# Altium PCB Неудачная разводка ddr.PcbDoc (part 3 of 3)
Units mm, origin at the board's own origin, x right, y up, seen from the top; angles counter-clockwise.
Board outline 130 x 100 mm, 8 copper layers (Top Layer, Ground_1, Power_1, Mid_1, Ground_3, Mid_2, Ground_2, Bottom Layer), stack 1.304 mm thick; 402 components, 379 nets, 2504 pads, 940 vias.
Unrouted connection lines stored in the file: 379.
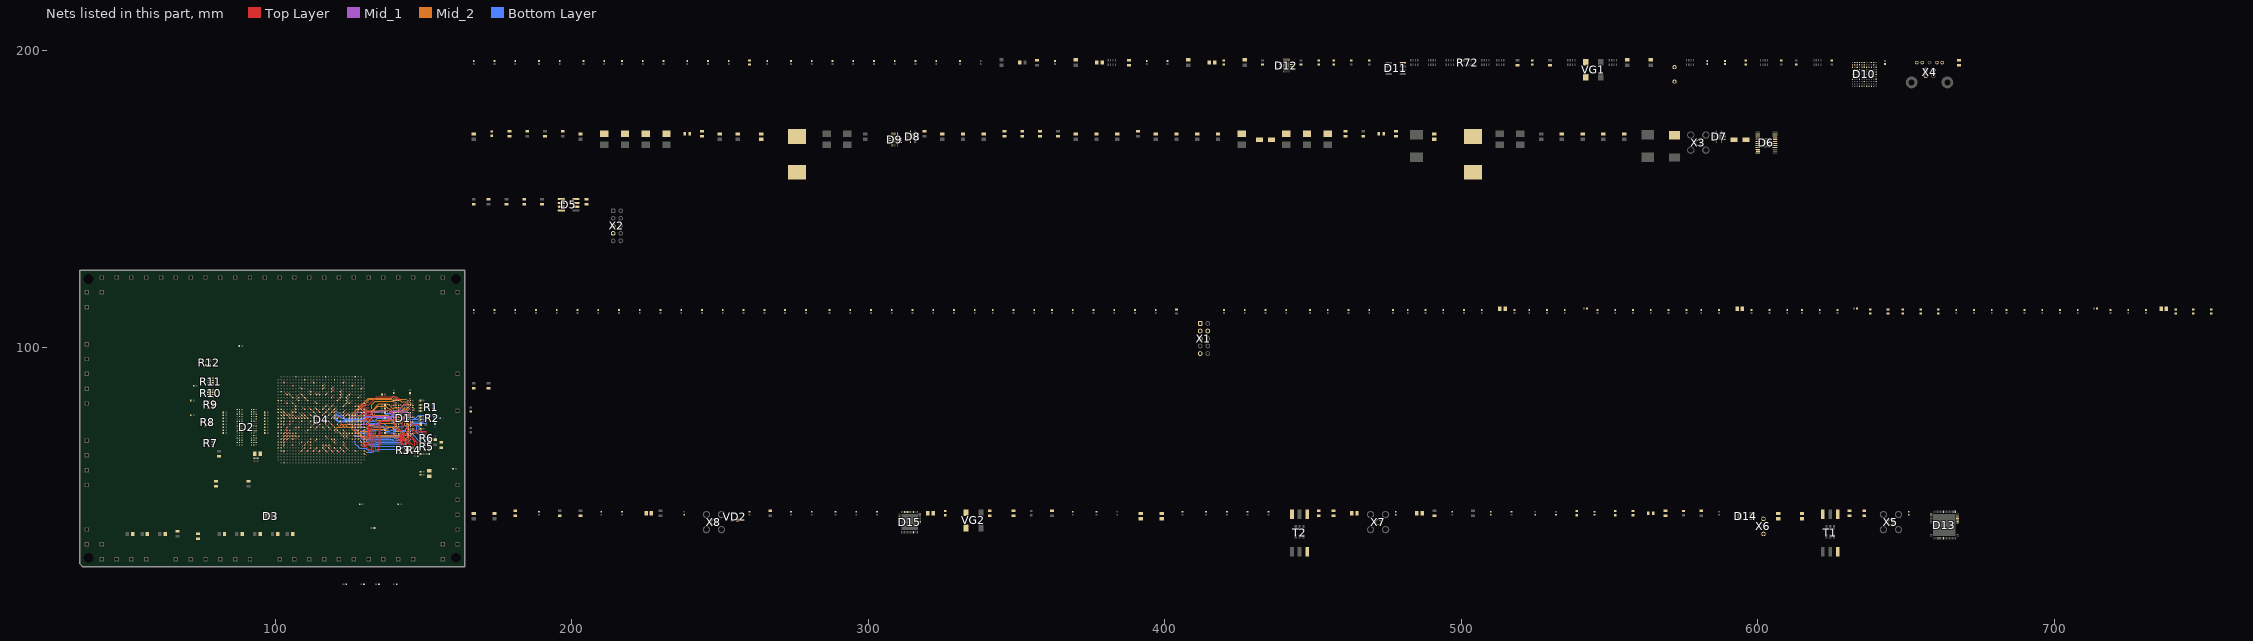
[diagram p8: the nets of this part, all layers, seen from the top]

## Via types
v1: diameter 0.45, hole 0.2, Top Layer to Bottom Layer, 840 vias
v2: diameter 0.5, hole 0.2, Top Layer to Bottom Layer, 100 vias

## Nets (pads, with @x,y where several pads share a name; then routed paths per layer and width w, separated by ;. In a path a pad name is that pad's centre, name@x,y a point inside that pad or via, vN(x,y) a via of type N, cw(c..) or ccw(c..) an arc to the next point about the centre after c; other vN are vias at no path point) (continued)
DDR0_A1: D1.P7 D4.AK12 R3.5 | length 22.1
  Top Layer w0.125: D4.AK12@130,72 v1(130.5,72.5) ; 144.3,66.8 144.3,67.4 142.988,68.712 142.988,70.188 v1(144,71.2) 144.4,71.6 D1.P7@144.8,71.6
  Mid_2 w0.125: v1(130.5,72.5) 131.712,73.713 133,73.713 133.525,73.188 140.574,73.188 141.211,72.55 141.667,72.55 143.017,71.2 v1(144,71.2)
DDR0_A2: D1.P3 D4.AH11 R10.7 | length 21.7
  Top Layer w0.125: D4.AH11@128,71 v1(128.5,70.5) ; D1.P3@141.6,71.6 142,71.6 v1(142.4,71.2) 142.912,70.688 142.912,70.466 142.738,70.291 142.738,68.609 142.912,68.434 142.912,67.488 143.5,66.9 143.5,66.7
  Bottom Layer w0.125: v1(128.5,70.5) 128.917,70.5 129.329,70.912 129.671,70.912 130.083,70.5 131.5,70.5 132,70 141.2,70 v1(142.4,71.2)
DDR0_A3: D1.N2 D4.AH12 | length 15.1
  Top Layer w0.125: v1(128.5,71.575) v1@128.5,71.5 ; v1(140.403,72.775) v1@140.403,72.797 ; v1@128.5,71.5 D4.AH12@128,72 v1@128.5,71.5 ; v1@140.403,72.797 D1.N2@140.8,72.4 v1@140.403,72.797
  Mid_2 w0.125: v1(128.5,71.575) 131.908,71.575 132.633,72.3 137.325,72.3 137.8,72.775 137.937,72.912 140.265,72.912 v1(140.403,72.775)
DDR0_A4: D1.P8 D4.AG13 | length 31.1
  Top Layer w0.125: D4.AG13@127,73 v1(127.5,72.5) ; D1.P8@145.6,71.6 v1(146,72) 146.012,71.988 148.012,71.988 148.3,71.7 150.9,71.7
  Bottom Layer w0.125: v1(127.5,72.5) 127.912,72.912 130.671,72.912 131.42,72.163 136.837,72.163 137.787,71.213 137.971,71.213 137.996,71.188 139.804,71.188 140.229,71.613 145.113,71.613 145.5,72 v1(146,72) 146.012,71.988 146.996,71.988 148.85,70.133 148.85,69.15 149.2,68.8
DDR0_A5: D1.P2 D4.AG14 R7.5 | length 23.5
  Top Layer w0.125: D4.AG14@127,74 v1(127.5,73.5) ; D1.P2@140.8,71.6 141.2,72 142.8,72 142.912,72.113 142.912,75.087 v1(142.807,75.193)
  Mid_2 w0.125: v1(127.5,73.5) 127.812,73.813 128.609,73.813 128.784,73.987 130.571,73.987 131.396,74.812 132.883,76.3 137.8,76.3 138.538,75.562 139.174,75.562 139.233,75.504 141.309,75.504 141.406,75.6 142.117,75.6 142.523,75.193 v1(142.807,75.193) ; v1(142.807,75.193) 142.911,75.089 v1(142.807,75.193)
DDR0_A6: D1.R8 D4.AK10 | length 27.8
  Top Layer w0.125: D4.AK10@130,70 v1(131,70) ; D1.R8@145.6,70.8 v1(146,71.2) 146.617,71.2 146.754,71.062 151.037,71.062 151.187,71.213
  Bottom Layer w0.125: v1(131,70) 131.5,69.5 139,69.5 139.2,69.7 142.125,69.7 143.213,70.788 144.788,70.788 145.2,71.2 v1(146,71.2) 146,71.016 149.016,68 149.6,68
DDR0_A7: D1.R2 D4.AK11 R9.5 | length 11.8
  Top Layer w0.125: D4.AK11@130,71 v1(131,71) ; v1(140.4,71.2) D1.R2@140.8,70.8
  Bottom Layer w0.125: v1(131,71) 131.5,71 132.162,70.337 139.891,70.337 140.4,70.846 v1(140.4,71.2)
DDR0_A8: D1.T8 D4.AF11 R5.8 | length 27.2
  Top Layer w0.125: D4.AF11@126,71 v1(126.5,70.5) ; v1(146,70.4) D1.T8@145.6,70 145.783,70 146.012,69.771 146.012,69.612 146.171,69.612 148,67.783 148,66.9
  Bottom Layer w0.125: v1(126.5,70.5) 127,70 129.5,70 130.5,69 139.417,69 139.579,68.838 139.921,68.838 140.162,69.079 140.162,69.163 140.213,69.213 141.287,69.213 141.5,69 142.475,69 142.988,69.512 142.988,70.183 143.229,70.425 143.571,70.425 143.746,70.25 145.85,70.25 v1(146,70.4)
DDR0_A9: D1.R3 D4.AG11 R9.7 | length 24.1
  Top Layer w0.125: D4.AG11@127,71 v1(127.5,70.5) ; v1(133.5,68) v1(133.5,71) ; D1.R3@141.6,70.8 142,70.8 142.4,70.4 142.4,68.1 v1(142.5,68) 142.5,67.2 142.7,67 142.7,66.7
  Bottom Layer w0.125: v1(127.5,70.5) 127.913,70.912 128.976,70.912 129.226,71.163 130.579,71.163 130.829,71.413 131.671,71.413 131.913,71.171 131.913,71.087 132,71 v1(133.5,71) ; v1(133.5,68) v1(142.5,68)
DDR0_A10: D1.L7 D4.AJ8 | length 31
  Top Layer w0.125: D4.AJ8@129,68 129.5,67.5 132,67.5 v1(132,73.3) ; v1(144,74) D1.L7@144.8,74
  Bottom Layer w0.125: v1(132,73.3) 132.2,73.5 136.207,73.5 137.207,72.5 138.017,72.5 138.229,72.713 138.429,72.912 139.682,72.912 139.882,72.713 140.232,72.363 140.626,72.363 141.476,73.213 142.571,73.213 143.213,73.213 v1(144,74) 144.1,73.9 147.683,73.9 149.1,72.483 149.1,71.6 149.8,70.9
DDR0_A11: D1.R7 D4.AK8 R5.5 | length 21.4
  Top Layer w0.125: D4.AK8@130,68 v1(131.25,68) ; D1.R7@144.8,70.8 144,70 v1(144,69.6) 144,69.3 146.3,67
  Bottom Layer w0.125: v1(131.25,68) 131.75,67.5 144,67.5 v1(144,69.6)
DDR0_A12: D1.N7 D4.AJ7 | length 33.8
  Top Layer w0.125: D4.AJ7@129,67 129.5,66.5 130.5,66.5 131.5,65.5 132.5,65.5 132.5,72.75 v1(132.75,73) ; v1(144,72.8) 144.4,72.4 D1.N7@144.8,72.4
  Bottom Layer w0.125: v1(132.75,73) 136.354,73 137.108,72.246 137.191,72.246 137.85,71.587 138.604,71.587 139.029,72.013 139.371,72.013 139.384,72 144,72 v1(144,72.8) 144.813,73.613 147.171,73.613 147.8,72.983 147.8,72.1 149.1,70.8 149.1,69.6
DDR0_A13: D1.T3 D4.AK7 R9.8 | length 15.8
  Top Layer w0.125: D4.AK7@130,67 131.5,67 v1(132,66.5) ; D1.T3@141.6,70 141.5,69.9 v1(141.5,67) 142,67 142,66.7
  Bottom Layer w0.125: v1(132,66.5) 141,66.5 v1(141.5,67)
DDR0_A14: D1.T7 D4.AF13 | length 33.9
  Top Layer w0.125: D4.AF13@126,73 v1(126.5,72.5) ; v1(134,65.5) v1(134,71.75) ; D1.T7@144.8,70 145.6,69.2 v1(146,69.2) 147.1,68.1 147.1,66.8
  Bottom Layer w0.125: v1(126.5,72.5) 127.087,71.912 127.671,71.912 128.087,71.496 128.087,71.404 128.329,71.163 128.872,71.163 129.46,71.75 v1(134,71.75) ; v1(134,65.5) 142.354,65.5 144.8,67.946 144.8,68 ; 144.354,67.554 v1(146,69.2)
DDR0_BA0: D1.M2 D4.AH9 | length 22.5
  Top Layer w0.125: D4.AH9@128,69 v1(128.5,68.5) ; v1(134.974,74.776) 135,74.75 v1(135,67) ; v1(140.4,74.378) 140.4,73.6 D1.M2@140.8,73.2
  Mid_2 w0.125: v1(134.974,74.776) 135.337,74.413 140.088,74.413 140.122,74.378 v1(140.4,74.378)
  Bottom Layer w0.125: v1(128.5,68.5) 130,67 v1(135,67)
DDR0_BA1: D1.N8 D4.AH10 | length 25.5
  Top Layer w0.125: D4.AH10@128,70 v1(128.5,69.5) ; 145.5,66.9 143.4,69 v1(143.4,70.013) 143.4,70.154 144.034,70.788 144.239,70.788 144.664,71.213 144.96,71.213 145.213,71.464 145.213,72.013 D1.N8@145.6,72.4
  Bottom Layer w0.125: v1(128.5,69.5) 129.083,69.5 129.913,68.671 129.913,68.504 130.329,68.087 130.671,68.087 130.996,68.413 140.604,68.413 140.629,68.388 140.971,68.388 141.183,68.6 143.4,68.6 v1(143.4,70.013)
DDR0_BA2: D1.M3 D4.AJ10 | length 19.1
  Top Layer w0.125: D4.AJ10@129,70 129.5,69.5 131.5,69.5 131.5,74.1 131.6,74.2 v1(131.6,74.4) ; v1(141.2,73.6) D1.M3@141.6,73.2
  Bottom Layer w0.125: v1(131.6,74.4) v1@131.6,74.3 ; v1(141.2,73.6) 140.787,73.188 140.574,73.188 140.549,73.213 137.787,73.213 136.663,74.338 134.829,74.338 134.667,74.5 134.554,74.387 131.912,74.387 v1@131.8,74.5 ; v1@131.6,74.3 v1@131.8,74.5 ; v1@131.6,74.3 v1@131.8,74.5
DDR0_CAS: D1.K3 D4.AF9 | length 30.8
  Top Layer w0.125: D4.AF9@126,69 v1(126.5,68.5) ; v1(135,65) 135,66.25 135.412,66.663 135.412,74.913 135.5,75 139,75 v1(138.9,74.9) ; D1.K3@141.6,74.8 141.7,74.8 142.3,75.4 v1(142.3,76)
  Bottom Layer w0.125: v1(126.5,68.5) 127.087,67.912 127.087,67.329 127.504,66.912 127.671,66.912 128.087,66.496 128.087,66.329 128.504,65.912 130.671,65.912 130.913,65.671 130.913,65.587 131.5,65 v1(135,65) ; v1(138.9,74.9) 141.9,74.9 142.3,75.3 v1(142.3,76)
DDR0_CK_N: D1.K7 D4.AA14 R1.8 | length 44.3
  Top Layer w0.111: v1(144.007,74.807) 144,74.8 D1.K7@144.8,74.8
  Top Layer w0.125: D4.AA14@121,74 v1(121.5,73.5)
  Mid_2 w0.184: v1(121.5,73.5) 121.875,73.5 122.317,73.942 122.683,73.942 122.935,73.69 123.065,73.69 123.317,73.942 123.683,73.942 123.937,73.688 124.063,73.688 124.317,73.942 125.683,73.942 125.942,73.683 125.942,73.33 126.33,72.942 126.683,72.942 126.942,72.683 126.942,72.433 127.433,71.942 127.683,71.942 127.942,71.683 127.942,71.508 128.508,70.942 128.683,70.942 128.942,70.683 128.942,70.433 129.817,69.558 131.183,69.558 131.558,69.933 132.207,69.933 132.505,70.231 142.088,70.231 142.926,69.393 143.582,69.393 143.817,69.158 144.183,69.158 144.418,69.393 144.729,69.393 144.729,73.725 144.442,74.012 144.442,73.817 144.183,73.558 143.817,73.558 143.558,73.817 143.558,74.183 143.817,74.442 144.183,74.442 144.396,74.229 144.396,74.417 v1(144.007,74.807)
  Bottom Layer w0.111: v1(144.007,74.807) v1(144.007,74.807) 145.771,74.806 145.818,74.758 146.154,74.758 146.201,74.806 150.506,74.806 151.2,75.5
DDR0_CK_P: D1.J7 D4.Y13 R1.7 | length 44.6
  Top Layer w0.111: v1(144,75.7) 144,75.6 D1.J7@144.8,75.6
  Top Layer w0.125: D4.Y13@120,73 v1(120.5,72.5)
  Mid_2 w0.184: v1(120.5,72.5) 120.983,72.983 122.608,72.983 122.931,73.306 123.069,73.306 123.317,73.058 123.683,73.058 123.929,73.304 124.07,73.304 124.317,73.058 124.683,73.058 125.317,73.058 125.671,73.058 126.058,72.67 126.058,72.317 126.317,72.058 126.567,72.058 127.058,71.567 127.058,71.317 127.317,71.058 127.567,71.058 128.058,70.567 128.058,70.317 128.317,70.058 128.774,70.058 129.02,69.812 129.658,69.174 131.342,69.174 131.561,69.393 132.21,69.393 132.664,69.847 141.929,69.847 142.767,69.009 143.423,69.009 143.658,68.774 144.342,68.774 144.577,69.009 144.888,69.009 145.113,69.234 145.113,73.958 145.039,73.958 144.78,74.217 144.78,74.583 144.899,74.701 144,75.6 v1(144,75.7)
  Bottom Layer w0.111: v1(144,75.7) 144.105,75.594 145.804,75.594 145.829,75.569 146.165,75.569 146.212,75.617 148.043,75.617 148.332,75.906 150.706,75.906 151.2,76.4
DDR0_CKE: D1.K9 D4.AK18 R15.2 | length 26
  Top Layer w0.125: D4.AK18@130,78 130.112,78.112 131.971,78.112 132.413,77.671 132.413,77.643 132.5,77.556 v1(133.194,77.556) ; v1(145.222,74.4) 146,74.4 D1.K9@146.4,74.8
  Mid_2 w0.125: v1@133.194,77.437 133.619,77.012 138.084,77.012 138.496,76.6 139,76.6 139.213,76.387 140.571,76.387 140.596,76.413 142.471,76.413 142.883,76 143.1,76 143.212,76.112 144.288,76.112 146,74.4 v1(145.222,74.4)
  Bottom Layer w0.125: v1(145.222,74.4) 151,74.4 151.3,74.7
DDR0_CS: D1.L2 D4.Y12 | length 0.7
  Top Layer w0.125: D4.Y12@120,72 v1(120.5,71.5)
DDR0_DM0: D1.E7 D4.AE15 | length 24.6
  Top Layer w0.15: D4.AE15@125,75 v1(125.5,74.5) ; D1.E7@144.8,78.8 v1(145.2,79.2)
  Mid_2 w0.15: v1(125.5,74.5) 126.2,75.2 130.4,75.2 131.525,76.325 132.426,76.325 132.925,76.824 132.925,77.176 132.769,77.332 132.769,77.732 133.018,77.981 133.37,77.981 134.015,78.625 138.5,78.625 139.325,77.8 140.799,77.8 141.024,78.025 141.376,78.025 141.701,77.7 142.565,77.7 143.74,78.875 144.275,78.875 144.6,79.2 v1(145.2,79.2)
DDR0_DM1: D1.D3 D4.AH19 | length 5.2
  Top Layer w0.15: D4.AH19@128,79 128.5,79.5 v1(131.5,79.5) ; D1.D3@141.6,79.6 142.4,79.6 142.8,79.2 v1(142.8,79.3)
DDR0_DQ0: D1.E3 D4.AF15 | length 1.3
  Top Layer w0.15: D4.AF15@126,75 v1(126.5,74.5) ; v1(141.2,79.2) D1.E3@141.6,78.8
DDR0_DQ1: D1.F7 D4.AE16 | length 21.4
  Top Layer w0.15: D4.AE16@125,76 v1(125.5,76.5) ; v1(144.4,78.4) D1.F7@144.8,78
  Mid_1 w0.15: v1(125.5,76.5) 126.075,77.075 126.676,77.075 126.925,77.324 126.925,77.526 127.474,78.075 131.574,78.075 131.624,78.125 131.976,78.125 132.026,78.075 134.875,78.075 135.425,78.625 138.376,78.625 138.601,78.4 142.134,78.4 142.234,78.5 144.3,78.5 v1(144.4,78.4)
DDR0_DQ2: D1.F2 D4.AJ14
DDR0_DQ3: D1.F8 D4.AH15 | length 19.8
  Top Layer w0.15: D4.AH15@128,75 v1(128.5,74.5) ; v1(145.2,77.6) D1.F8@145.6,78
  Mid_1 w0.15: v1(128.5,74.5) 130.392,76.392 139.709,76.392 139.726,76.375 140.974,76.375 141.024,76.425 142.476,76.425 142.726,76.175 143.176,76.175 143.975,76.974 143.975,77.575 ; 143.975,77.6 v1(145.2,77.6)
DDR0_DQ4: D1.H3 D4.AE17 | length 2.2
  Top Layer w0.15: D4.AE17@125,77 v1(125.5,77.5) ; D1.H3@141.6,76.4 141.8,76.6 v1(143,76.6)
DDR0_DQ5: D1.H8 D4.AD17 | length 27.1
  Top Layer w0.15: D4.AD17@124,77 v1(124.5,77.5) ; v1(145.2,76) D1.H8@145.6,76.4
  Mid_1 w0.15: v1(124.5,77.5) 125.075,76.925 125.075,76.324 125.324,76.075 125.676,76.075 125.925,76.324 125.925,76.401 126.324,76.8 127.199,76.8 127.324,76.925 131.824,76.925 132.324,77.425 132.676,77.425 133.326,76.775 139.076,76.775 140.326,78.025 141.376,78.025 141.701,77.7 142.683,77.7 142.958,77.975 144.576,77.975 144.626,78.025 145.376,78.025 145.625,77.776 145.625,77.424 145.575,77.374 145.575,76.375 v1(145.2,76)
DDR0_DQ6: D1.G2 D4.AJ15 | length 5.5
  Top Layer w0.15: v1(129.5,74.5) D4.AJ15@129,75 129.45,75.45 132.95,75.45 v1(133,75.4) ; D1.G2@140.8,77.2 v1(141.2,77.6)
DDR0_DQ7: D1.H7 D4.AF14 | length 21.7
  Top Layer w0.15: D4.AF14@126,74 v1(126.5,73.5) ; v1(144.4,76.8) D1.H7@144.8,76.4
  Mid_1 w0.15: v1(126.5,73.5) 126.925,73.925 134.724,73.925 136.341,75.542 142.554,75.542 142.631,75.618 142.983,75.618 143.326,75.275 144.176,75.275 144.5,75.599 144.5,76.7 v1(144.4,76.8)
DDR0_DQ8: D1.D7 D4.AK17 | length 18.8
  Top Layer w0.15: D4.AK17@130,77 131.5,77 v1(132.5,77) ; D1.D7@144.8,79.6 v1(145.2,80)
  Mid_2 w0.15: v1(132.5,77) 132.494,77.006 132.494,77.846 134.674,80.025 137.376,80.025 137.925,79.476 137.925,79.474 138.224,79.175 138.725,79.175 139.4,78.5 142.9,78.5 143.9,79.5 144.7,79.5 v1(145.2,80)
DDR0_DQ9: D1.C3 D4.AK16 | length 3
  Top Layer w0.15: D4.AK16@130,76 132,76 v1(131.9,75.9) ; D1.C3@141.6,80.4 142.3,80.4 v1(142.4,80.5)
DDR0_DQ10: D1.C8 D4.AG17 | length 23
  Top Layer w0.15: D4.AG17@127,77 v1(127.5,77.5) ; D1.C8@145.6,80.4 v1(146,80.8)
  Mid_2 w0.15: v1(127.5,77.5) 127.925,77.075 128.676,77.075 130.132,78.531 132.5,78.531 132.544,78.575 132.676,78.575 135,80.899 135,80.925 137.676,80.925 137.826,80.775 138.576,80.775 138.576,80.323 139.499,79.4 140,79.4 140.125,79.525 140.924,79.525 141.024,79.625 142.524,79.625 143.584,80.685 145.885,80.685 v1(146,80.8)
DDR0_DQ11: D1.C2 D4.AJ18 | length 4.1
  Top Layer w0.15: D4.AJ18@129,78 129.5,77.5 132,77.5 v1(131.8,77.7) ; v1(140.4,80.8) D1.C2@140.8,80.4
DDR0_DQ12: D1.A7 D4.AG16 | length 22.7
  Top Layer w0.15: D4.AG16@127,76 v1(127.5,76.5) ; v1(144.4,82.4) D1.A7@144.8,82
  Mid_2 w0.15: v1(127.5,76.5) 127,77 127,77.601 127.399,78 127.601,78 128.075,78.474 128.075,78.676 129.824,80.425 130.5,80.425 130.5,81.101 131.774,82.375 139.211,82.375 139.486,82.1 139.686,82.3 140.49,82.3 140.59,82.4 140.599,82.4 140.624,82.375 144.375,82.375 v1(144.4,82.4)
DDR0_DQ13: D1.A2 D4.AF16 | length 20.4
  Top Layer w0.15: D4.AF16@126,76 126.5,76.5 v1(126.5,76.375) ; D1.A2@140.8,82 v1(140.8,82.8)
  Mid_2 w0.15: v1(126.5,76.375) 126.5,76.5 126.075,76.925 126.075,77.676 126.324,77.925 126.526,77.925 126.925,78.324 126.925,78.526 127.474,79.075 127.676,79.075 131.401,82.8 139.2,82.8 139.625,83.225 140.375,83.225 v1(140.8,82.8)
DDR0_DQ14: D1.B8 D4.AJ19 | length 19.5
  Top Layer w0.15: D4.AJ19@129,79 129.5,78.5 132,78.5 v1(132.5,79) ; v1(145.2,81.6) D1.B8@145.6,81.2
  Mid_2 w0.15: v1(132.5,79) 132.5,80.5 133.825,81.825 140.024,81.825 140.224,82.025 142.176,82.025 142.601,81.6 v1(145.2,81.6)
DDR0_DQ15: D1.A3 D4.AH20 | length 15.8
  Top Layer w0.15: D4.AH20@128,80 128.5,80.5 v1(131.5,80.5) 134.225,83.225 140.976,83.225 141.6,82.601 D1.A3@141.6,82
DDR0_DQS0_N: D1.G3 D4.AA16 | length 29.3
  Top Layer w0.125: D4.AA16@121,76 v1(121.5,76.5)
  Top Layer w0.15: D1.G3@141.6,77.2 142.771,77.2 v1@142.973,77.402
  Bottom Layer w0.15: v1(121.5,76.5) 121,77 120.406,77 120,76.594 120,76 121.1,74.9 129.981,74.9 130.13,75.05 130.182,75.05 130.85,75.718 131.532,76.4 131.834,76.4 132.152,76.4 132.222,76.33 132.778,76.33 132.848,76.4 134.612,76.4 139.434,76.4 140.234,77.2 140.653,77.2 140.923,76.93 141.752,76.93 142.022,77.2 142.287,77.465 142.5,77.465 142.65,77.315 142.737,77.402
  other v1: 143,77.4
DDR0_DQS0_P: D1.F3 D4.Y16 | length 26.8
  Top Layer w0.125: D4.Y16@120,76 v1(120.5,76.5)
  Top Layer w0.15: D1.F3@141.6,78 142.3,78 v1(142.4,78.1)
  Bottom Layer w0.15: v1(120.5,76.5) 120.5,76 121.33,75.17 129.869,75.17 130.019,75.32 130.07,75.32 130.58,75.83 131.262,76.512 131.42,76.67 131.722,76.67 132.264,76.67 132.334,76.6 132.666,76.6 132.736,76.67 134.5,76.67 139.323,76.67 139.73,77.078 ; v1(142.4,78.1) 142.6,77.9 142.635,77.9 142.65,77.885 142.5,77.735 142.175,77.735 141.64,77.2 141.034,77.2 140.764,77.47 140.123,77.47 ; 139.73,77.078 140.123,77.47 ; 139.73,77.078 140.122,77.47
DDR0_DQS1_N: D1.B7 D4.Y18 | length 31.3
  Top Layer w0.125: D4.Y18@120,78 v1(120.5,78.5)
  Top Layer w0.15: v1(143.825,81.085) 143.94,81.2 D1.B7@144.8,81.2
  Bottom Layer w0.15: v1(120.5,78.5) 121.1,77.9 121.666,77.9 122.1,77.466 122.1,77.334 122.334,77.1 122.466,77.1 122.9,76.666 122.9,76.334 122.939,76.295 123.012,76.295 123.518,75.788 129.475,75.788 130.387,76.7 130.387,77.712 130.996,78.321 131.108,78.321 131.187,78.4 132.05,78.4 ; 133.1,78.4 132.05,78.4 ; v1(143.825,81.085) 143.2,80.46 143.2,80.266 142.15,79.216 142.15,78.77 142.122,78.77 141.902,78.55 139.85,78.55 139.17,77.87 138.622,77.87 138.543,77.791 137.956,77.791 137.765,77.6 137.434,77.6 137.243,77.791 137.112,77.791 136.503,78.4 135.578,78.4 132.05,78.4
DDR0_DQS1_P: D1.C7 D4.Y17 | length 30.6
  Top Layer w0.125: D4.Y17@120,77 v1(120.5,77.5)
  Top Layer w0.15: v1(144,80) 144,80.3 143.9,80.4 143.9,80.5 D1.C7@144.7,80.5
  Bottom Layer w0.15: v1(120.5,77.5) 120.725,77.275 121.159,77.275 121.334,77.1 121.525,77.1 122.1,76.525 122.1,76.334 122.409,76.025 122.9,76.025 123.425,75.5 123.5,75.5 123.518,75.518 129.587,75.518 130.657,76.588 130.657,77.6 131.108,78.051 131.585,78.051 131.634,78.1 131.965,78.1 132.014,78.051 132.119,78.051 132.198,78.13 136.391,78.13 137,77.521 137.131,77.521 137.322,77.33 137.877,77.33 138.068,77.521 138.655,77.521 138.734,77.6 139.282,77.6 139.962,78.28 142.014,78.28 142.234,78.5 142.565,78.5 143.9,79.834 143.9,80.4 ; 143.9,80.5 143.9,80.4 ; v1(144,80) 144,80.3 143.9,80.4
DDR0_ODT: D1.K1 D4.AH14 | length 15.3
  Top Layer w0.125: D4.AH14@128,74 128.5,73.5 v1(128.5,73.4) ; v1(139.533,75.967) 139.5,76 140.148,76 140.388,75.761 140.388,75.188 D1.K1@140,74.8
  Bottom Layer w0.125: v1(128.5,73.4) 128.5,73.5 129,74 129.684,74 129.963,74.279 129.963,74.547 130.229,74.812 130.28,74.812 130.571,75.104 130.687,74.987 133.337,74.987 134.437,76.087 137.205,76.087 v1@139.413,76.087
DDR0_RAS: D1.J3 D4.AG9
DDR0_RESET_N: D1.T2 D4.AK21 R17.2 | length 2.9
  Top Layer w0.125: D4.AK21@130,81 130.5,81 131,81.5 v1(131.5,81.5) ; v1(140.8,68.8) D1.T2@140.8,70
DDR0_WE: D1.L3 D4.AK5 | length 34.8
  Top Layer w0.125: D4.AK5@130,65 v1(130.5,64.5) ; v1(133,64.5) 133,72.667 133.9,73.567 v1(133.9,74.8) ; D1.L3@141.6,74 142,74.4 v1(142.4,74.4)
  Mid_2 w0.125: v1(133.9,74.8) 134.412,75.312 139.071,75.312 139.256,75.127 141.673,75.127 v1(142.4,74.4) v1@142.597,74.4
  Bottom Layer w0.125: v1(130.5,64.5) v1(133,64.5) ; v1(142.4,74.4) 142.597,74.4 143.587,75.391 143.587,75.871 144.104,76.387 144.571,76.387 144.596,76.413 145.804,76.413 145.829,76.387 146.429,76.387 146.829,75.987 147.404,75.987 148.417,77 151.1,77 151.3,77.2
DDR1_A0: D2.N3 D4.B11 R7.6
DDR1_A1: D2.P7 D4.A11 R4.8
DDR1_A2: D2.P3 D4.F9 R10.5 | length 0.7
  Top Layer w0.125: v1(105.5,68.5) D4.F9@106,69
DDR1_A3: D2.N2 D4.E10 | length 0.7
  Top Layer w0.125: v1(104.5,69.5) D4.E10@105,70
DDR1_A4: D2.P8 D4.F16 R3.6 | length 0.7
  Top Layer w0.125: v1(105.5,76.5) D4.F16@106,76
DDR1_A5: D2.P2 D4.E16 R8.8 | length 0.7
  Top Layer w0.125: v1(104.5,76.5) D4.E16@105,76
DDR1_A6: D2.R8 D4.D9 R6.7 | length 0.7
  Top Layer w0.125: v1(103.5,68.5) D4.D9@104,69
DDR1_A7: D2.R2 D4.C10 R10.6 | length 0.7
  Top Layer w0.125: v1(102.5,69.5) D4.C10@103,70
DDR1_A8: D2.T8 D4.E12 R6.8 | length 0.7
  Top Layer w0.125: v1(104.5,71.5) D4.E12@105,72
DDR1_A9: D2.R3 D4.D13 R10.8 | length 0.7
  Top Layer w0.125: v1(103.5,72.5) D4.D13@104,73
DDR1_A10: D2.L7 D4.B7
DDR1_A11: D2.R7 D4.A8 R6.5
DDR1_A12: D2.N7 D4.B6 R4.7
DDR1_A13: D2.T3 D4.A6 R9.6
DDR1_A14: D2.T7 D4.E11 R5.6 | length 0.7
  Top Layer w0.125: v1(104.5,70.5) D4.E11@105,71
DDR1_A15: D4.D10 | length 0.7
  Top Layer w0.125: v1(103.5,69.5) D4.D10@104,70
DDR1_BA0: D2.M2 D4.A10
DDR1_BA1: D2.N8 D4.F15 | length 0.7
  Top Layer w0.125: v1(105.5,74.5) D4.F15@106,75
DDR1_BA2: D2.M3 D4.E15 R8.7 | length 0.7
  Top Layer w0.125: v1(104.5,74.5) D4.E15@105,75
DDR1_CAS: D2.K3 D4.C9 | length 0.7
  Top Layer w0.125: v1(102.5,68.5) D4.C9@103,69
DDR1_CK_N: D2.K7 D4.M8 R1.6 | length 0.7
  Top Layer w0.125: v1(111.5,67.5) D4.M8@112,68
DDR1_CK_P: D2.J7 D4.M9 R2.8 | length 0.7
  Top Layer w0.125: v1(111.5,68.5) D4.M9@112,69
DDR1_CKE: D2.K9 D4.A18 R16.2
DDR1_CS: D2.L2 D4.J15 | length 0.7
  Top Layer w0.125: v1(108.5,74.5) D4.J15@109,75
DDR1_DM0: D2.E7 D4.B14
DDR1_DM1: D2.D3 D4.B19
DDR1_DQ0: D2.E3 D4.C15 | length 0.7
  Top Layer w0.125: v1(102.5,74.5) D4.C15@103,75
DDR1_DQ1: D2.F7 D4.C16 | length 0.7
  Top Layer w0.125: v1(102.5,76.5) D4.C16@103,76
DDR1_DQ2: D2.F2 D4.C11 | length 0.7
  Top Layer w0.125: v1(102.5,70.5) D4.C11@103,71
DDR1_DQ3: D2.F8 D4.A13
DDR1_DQ4: D2.H3 D4.D17 | length 0.7
  Top Layer w0.125: v1(103.5,77.5) D4.D17@104,77
DDR1_DQ5: D2.H8 D4.E17 | length 0.7
  Top Layer w0.125: v1(104.5,77.5) D4.E17@105,77
DDR1_DQ6: D2.G2 D4.D12 | length 0.7
  Top Layer w0.125: v1(103.5,71.5) D4.D12@104,72
DDR1_DQ7: D2.H7 D4.A14
DDR1_DQ8: D2.D7 D4.B17
DDR1_DQ9: D2.C3 D4.C17 | length 0.7
  Top Layer w0.125: v1(102.5,77.5) D4.C17@103,77
DDR1_DQ10: D2.C8 D4.A16
DDR1_DQ11: D2.C2 D4.C14 | length 0.7
  Top Layer w0.125: v1(102.5,73.5) D4.C14@103,74
DDR1_DQ12: D2.A7 D4.F18 | length 0.7
  Top Layer w0.125: v1(105.5,78.5) D4.F18@106,78
DDR1_DQ13: D2.A2 D4.G18 | length 0.7
  Top Layer w0.125: v1(106.5,78.5) D4.G18@107,78
DDR1_DQ14: D2.B8 D4.B18
DDR1_DQ15: D2.A3 D4.A19
DDR1_DQS0_N: D2.G3 D4.J17 | length 0.7